# Allegro board PCIe3_0_X16_V1_0-166-20240802_20240828_pcb.brd (continued)
## Routing (per net, layer and track width the routed paths; a pad name or vN(x,y) marks a point on that pad's centre or on a via; arc(x,y) is an arc through that point) (continued)
  TOP w0.155: U2.C1 v1(119.95,97.46)
  ART10 w0.086: v1(119.32,72.23) 119.87,72.78 119.87,73.38 120.25,73.76 121.52,73.76 121.93,74.17 121.93,84.07 123.25,85.39 123.25,97.38 123,97.64 122.79,97.64 122.71,97.55 122.71,97.04 122.62,96.95 122.45,96.95 122.36,97.04 122.36,97.55 122.28,97.64 122.1,97.64 122.02,97.55 122.02,97.04 121.93,96.95 121.76,96.95 121.67,97.04 121.67,97.55 121.58,97.64 121.41,97.64 121.33,97.55 121.33,97.04 121.24,96.95 121.07,96.95 120.98,97.04 120.98,97.55 120.89,97.64 120.13,97.64 v1(119.95,97.46)
BPI_FLASH_A_3: length 36.3
  TOP w0.127: U1.AL28 v1(120.32,72.23)
  TOP w0.155: U2.D1 v1(119.95,98.46)
  ART10 w0.086: v1(119.95,98.46) 120.3,98.81 120.67,98.81 120.76,98.72 120.76,98.49 120.85,98.4 121.02,98.4 121.11,98.49 121.11,98.72 121.19,98.81 121.37,98.81 121.45,98.72 121.45,98.49 121.54,98.4 121.71,98.4 121.8,98.49 121.8,98.72 121.88,98.81 122.06,98.81 122.14,98.72 122.14,98.49 122.23,98.4 122.4,98.4 122.49,98.49 122.49,98.72 122.57,98.81 122.75,98.81 122.83,98.72 122.83,98.49 122.92,98.4 123.09,98.4 123.18,98.49 123.18,98.72 123.26,98.81 123.51,98.81 123.94,98.38 123.94,85.06 122.73,83.85 122.73,74.02 122.44,73.74 122.24,73.74 121.73,73.23 121.73,73.05 120.91,72.23 v1(120.32,72.23)
BPI_FLASH_A_4: length 35.7
  TOP w0.127: U1.AL30 v1(120.32,74.23)
  TOP w0.155: U2.D2 v1(118.95,98.46)
  ART10 w0.086: v1(118.95,98.46) 119.39,98.02 119.39,97.41 119.75,97.05 120.28,97.05 120.58,96.75 120.58,95.3 120.64,95.24 120.64,95.07 120.74,94.97 120.78,94.97 120.87,94.88 120.87,94.4 120.96,94.31 121.13,94.31 121.22,94.4 121.22,94.88 121.3,94.97 121.58,94.97 121.7,94.84 121.7,92.56 121.89,92.37 121.89,90.61 122.11,90.4 122.11,90.25 122.19,90.16 122.56,90.16 122.64,90.07 122.64,89.9 122.56,89.82 122.19,89.82 122.11,89.73 122.11,89.56 122.19,89.47 122.56,89.47 122.64,89.38 122.64,89.21 122.56,89.12 122.19,89.12 122.11,89.04 122.11,88.87 122.19,88.78 122.56,88.78 122.64,88.69 122.64,88.52 122.56,88.43 122.19,88.43 122.11,88.35 122.11,88.17 122.19,88.09 122.56,88.09 122.64,88 122.64,87.83 122.56,87.74 122.19,87.74 122.11,87.66 122.11,87.48 122.19,87.4 122.56,87.4 122.64,87.31 122.64,87.14 122.56,87.05 122.19,87.05 122.11,86.97 122.11,86.79 122.19,86.71 122.56,86.71 122.64,86.62 122.64,86.45 122.56,86.36 122.19,86.36 122.11,86.27 122.11,86.1 122.19,86.02 122.56,86.02 122.64,85.93 122.64,85.76 122.56,85.67 122.19,85.67 122.11,85.58 122.11,85.27 120.97,84.12 120.97,83.42 120.93,83.39 120.93,74.84 v1(120.32,74.23)
BPI_FLASH_A_5: length 36
  TOP w0.127: U1.AM30 v1(121.32,74.23)
  TOP w0.155: U2.A2 119.52,94.89 120.4,94.89 v1(120.97,95.46)
  ART10 w0.086: v1(121.32,74.23) 121.71,74.62 121.71,83.61 121.63,83.69 121.63,84.3 122.95,85.62 122.95,90.57 122.86,90.65 122.3,90.65 122.21,90.74 122.21,90.91 122.3,91 122.86,91 122.95,91.08 122.95,91.26 122.86,91.34 122.3,91.34 122.21,91.43 122.21,91.6 122.3,91.69 122.86,91.69 122.95,91.77 122.95,91.95 122.86,92.03 122.3,92.03 122.21,92.12 122.21,92.29 122.3,92.38 122.86,92.38 122.95,92.47 122.95,93.25 122.86,93.34 122.37,93.34 122.29,93.43 122.29,93.6 122.37,93.69 122.86,93.69 122.95,93.77 122.95,94.55 122.86,94.64 122.3,94.64 122.21,94.72 122.21,94.9 122.3,94.98 122.86,94.98 122.95,95.07 122.95,95.87 122.86,95.96 121.57,95.96 121.49,96.05 121.49,96.48 121.4,96.57 121.23,96.57 121.14,96.48 121.14,96.05 120.97,95.87 v1(120.97,95.46)
BPI_FLASH_A_6: length 32.6
  TOP w0.127: U1.AL32 v1(120.32,76.23)
  TOP w0.155: U2.C2 v1(118.95,97.46)
  ART10 w0.086: v1(118.95,97.46) 119.55,96.87 120.14,96.87 120.34,96.66 120.34,95.3 120.31,95.28 120.31,92.52 120.9,91.94 120.9,91.38 120.99,91.29 121.51,91.29 121.6,91.21 121.6,91.03 121.51,90.95 120.99,90.95 120.9,90.86 120.9,90.69 120.99,90.6 121.51,90.6 121.6,90.52 121.6,90.34 121.51,90.26 120.99,90.26 120.9,90.17 120.9,90 120.99,89.91 121.64,89.91 121.73,89.82 121.73,89.65 121.64,89.57 120.99,89.57 120.9,89.48 120.9,89.31 120.99,89.22 121.64,89.22 121.73,89.13 121.73,88.96 121.64,88.87 121.28,88.87 121.12,88.71 121.12,88.16 121.38,87.89 121.72,87.89 121.8,87.81 121.8,87.63 121.72,87.55 121.38,87.55 121.3,87.46 121.3,87.29 121.38,87.2 121.72,87.2 121.8,87.12 121.8,86.94 121.72,86.86 121.38,86.86 121.3,86.77 121.3,86.6 121.38,86.51 121.72,86.51 121.8,86.43 121.8,86.25 121.72,86.17 121.38,86.17 121.3,86.08 121.3,85.91 121.38,85.82 121.72,85.82 121.8,85.73 121.8,85.56 121.72,85.48 121.38,85.48 121.3,85.39 121.3,85.22 120.64,84.56 120.64,83.46 120.71,83.39 120.71,76.62 v1(120.32,76.23)
BPI_FLASH_A_7: length 34.2
  TOP w0.127: U1.AM32 v1(121.32,76.23)
  TOP w0.155: U2.A3 v1(117.95,95.46)
  ART03 w0.086: v1(121.32,76.23) 121.88,76.79 121.88,77.44 122.46,78.03 122.46,83.85 123.4,84.79 123.4,85.37 123.32,85.46 123.19,85.46 123.1,85.55 123.1,85.72 123.19,85.81 123.32,85.81 123.4,85.89 123.4,86.06 123.32,86.15 123.19,86.15 123.1,86.24 123.1,86.41 123.19,86.5 123.32,86.5 123.4,86.58 123.4,86.76 123.32,86.84 123.19,86.84 123.1,86.93 123.1,87.1 123.19,87.19 123.32,87.19 123.4,87.27 123.4,87.45 123.32,87.53 123.19,87.53 123.1,87.62 123.1,87.79 123.19,87.88 123.32,87.88 123.4,87.96 123.4,88.14 123.32,88.22 123.19,88.22 123.1,88.31 123.1,88.48 123.19,88.57 123.32,88.57 123.4,88.66 123.4,88.83 123.32,88.91 123.19,88.91 123.1,89 123.1,89.17 123.19,89.26 123.32,89.26 123.4,89.35 123.4,89.52 123.32,89.61 123.19,89.61 123.1,89.69 123.1,89.86 123.19,89.95 123.32,89.95 123.4,90.04 123.4,90.21 123.32,90.3 123.19,90.3 123.1,90.38 123.1,90.56 123.19,90.64 123.32,90.64 123.4,90.73 123.4,90.9 123.32,90.99 123.19,90.99 123.1,91.07 123.1,91.25 123.19,91.33 123.32,91.33 123.4,91.42 123.4,91.59 123.32,91.68 123.19,91.68 123.1,91.76 123.1,91.94 123.19,92.02 123.32,92.02 123.4,92.11 123.4,92.37 123.31,92.6 122.82,93.09 122.82,93.21 122.89,93.28 122.89,93.4 122.77,93.53 122.64,93.53 122.58,93.46 122.45,93.46 122.29,93.62 122.01,93.62 121.68,93.95 121.68,94.31 121.47,94.51 120.69,94.51 120.61,94.6 120.61,94.63 120.52,94.72 120.35,94.72 120.26,94.63 120.26,94.4 120.18,94.31 120,94.31 119.92,94.4 119.92,94.78 119.83,94.87 119.66,94.87 119.57,94.78 119.57,94.4 119.49,94.31 119.1,94.31 118.95,94.46 118.95,94.59 119.54,95.18 119.54,95.3 119.42,95.42 119.3,95.42 118.71,94.83 118.58,94.83 118.46,94.95 118.46,95.07 118.83,95.44 118.83,95.56 118.7,95.68 118.58,95.68 118.22,95.32 118.1,95.32 v1(117.95,95.46)
BPI_FLASH_A_8: length 37
  TOP w0.127: U1.AP31 v1(123.32,75.23)
  TOP w0.155: U2.B3 v1(117.95,96.46)
  ART03 w0.086: v1(123.32,75.23) 122.91,75.63 122.91,83.41 124.57,85.06 124.57,91.24 123.25,94.44 122.77,94.92 122.01,94.92 121.7,95.22 121.7,96.93 121.62,97.12 121.51,97.16 121.26,97.06 121.15,97.11 121.08,97.27 121.13,97.38 121.38,97.48 121.42,97.59 121.36,97.75 121.25,97.8 120.99,97.7 120.88,97.74 120.82,97.9 120.86,98.02 121.11,98.12 121.16,98.23 121.09,98.39 120.98,98.44 120.73,98.34 120.62,98.38 120.55,98.54 120.6,98.65 120.85,98.76 120.9,98.87 120.83,99.03 120.72,99.08 120.47,98.97 120.35,99.02 120.29,99.18 120.33,99.29 120.58,99.4 120.63,99.51 120.48,99.88 120.36,100 118.78,100 118.55,99.77 118.55,96.85 118.16,96.46 v1(117.95,96.46)
BPI_FLASH_A_9: length 37.1
  TOP w0.127: U1.AP32 v1(123.32,76.23)
  TOP w0.155: U2.C3 v1(117.95,97.46)
  ART03 w0.086: v1(123.32,76.23) 123.64,76.23 123.73,76.32 123.73,83.71 124.88,84.86 124.88,91.3 123.19,95.37 123.08,95.41 122.85,95.32 122.74,95.37 122.67,95.53 122.72,95.64 122.95,95.73 123,95.85 122.93,96.01 122.73,96.09 122.65,96.28 122.73,96.48 122.49,97.06 122.38,97.11 122.12,97 122.01,97.05 121.94,97.21 121.99,97.32 122.25,97.43 122.29,97.54 122.23,97.7 122.12,97.75 121.86,97.64 121.75,97.69 121.68,97.85 121.73,97.96 121.98,98.07 122.03,98.18 121.96,98.34 121.85,98.39 121.59,98.28 121.48,98.33 121.41,98.49 121.46,98.6 121.72,98.71 121.77,98.82 121.7,98.98 121.59,99.02 121.33,98.92 121.22,98.97 121.15,99.13 121.2,99.24 121.45,99.34 121.5,99.46 121.44,99.6 120.69,100.36 119.67,100.36 119.16,100.86 118.5,100.86 118.35,100.71 118.35,97.55 118.26,97.46 v1(117.95,97.46)
BPI_FLASH_A_10: length 36.7
  TOP w0.127: U1.AN30 v1(122.32,74.23)
  TOP w0.155: U2.D3 v1(117.95,98.46)
  ART03 w0.086: v1(117.95,98.46) 117.54,98.88 117.54,100.99 117.87,101.32 119.17,101.32 120.89,100.61 121.78,99.72 125.18,91.51 125.18,84.73 123.91,83.47 123.91,75.27 123.37,74.73 122.82,74.73 122.32,74.23 v1(122.32,74.23)
BPI_FLASH_A_11: length 36.1
  TOP w0.127: U1.AN31 v1(122.32,75.23)
  TOP w0.155: U2.C4 v1(116.95,97.46)
  ART03 w0.086: v1(116.95,97.46) 117.41,97 117.41,96.37 117.82,95.96 120.33,95.96 120.48,95.81 120.48,95.25 120.84,94.89 121.58,94.89 121.85,94.61 122.59,94.61 122.99,94.22 124.27,91.13 124.27,90.8 124.18,90.72 123.85,90.72 123.76,90.63 123.76,90.46 123.85,90.37 124.18,90.37 124.27,90.29 124.27,90.11 124.18,90.03 123.85,90.03 123.76,89.94 123.76,89.77 123.85,89.68 124.18,89.68 124.27,89.6 124.27,89.42 124.18,89.34 123.85,89.34 123.76,89.25 123.76,89.08 123.85,88.99 124.18,88.99 124.27,88.9 124.27,88.73 124.18,88.65 123.85,88.65 123.76,88.56 123.76,88.39 123.85,88.3 124.18,88.3 124.27,88.21 124.27,88.04 124.18,87.95 123.85,87.95 123.76,87.87 123.76,87.7 123.85,87.61 124.18,87.61 124.27,87.52 124.27,87.35 124.18,87.26 123.85,87.26 123.76,87.18 123.76,87 123.85,86.92 124.18,86.92 124.27,86.83 124.27,86.66 124.18,86.57 123.85,86.57 123.76,86.49 123.76,86.31 123.85,86.23 124.18,86.23 124.27,86.14 124.27,85.97 124.18,85.88 123.85,85.88 123.76,85.8 123.76,85.62 123.85,85.54 124.18,85.54 124.27,85.45 124.27,85.19 122.73,83.65 122.73,75.63 v1(122.32,75.23)
BPI_FLASH_A_12: length 38.1
  TOP w0.127: U1.AN29 v1(122.32,73.23)
  TOP w0.155: U2.A5 v1(114.95,95.46)
  ART03 w0.086: v1(114.95,95.46) 115.91,94.5 115.91,92.6 116,92.51 116.36,92.51 116.44,92.42 116.44,92.25 116.36,92.16 116,92.16 115.91,92.08 115.91,91.91 116,91.82 116.36,91.82 116.44,91.73 116.44,91.56 116.36,91.47 116,91.47 115.91,91.39 115.91,91.21 116,91.13 116.36,91.13 116.44,91.04 116.44,90.87 116.36,90.78 116,90.78 115.91,90.7 115.91,90.52 116,90.44 116.36,90.44 116.44,90.35 116.44,90.18 116.36,90.09 116,90.09 115.91,90.01 115.91,89.83 116,89.75 116.36,89.75 116.44,89.66 116.44,89.49 116.36,89.4 116,89.4 115.91,89.31 115.91,89.14 116,89.06 116.36,89.06 116.44,88.97 116.44,88.8 116.36,88.71 116,88.71 115.91,88.62 115.91,87.27 116.3,86.88 116.42,86.88 116.59,87.05 116.71,87.05 116.84,86.93 116.84,86.81 116.67,86.64 116.67,86.52 119.73,83.46 119.73,80.95 118.61,79.84 118.05,79.84 117.71,79.5 117.71,79.07 117.43,78.79 117.2,78.79 116.82,78.41 116.82,74.12 117.31,73.63 121.91,73.63 v1(122.32,73.23)
BPI_FLASH_A_13: length 38.6
  TOP w0.127: U1.AP29 v1(123.32,72.23)
  TOP w0.155: U2.B5 v1(114.95,96.46)
  ART03 w0.086: v1(114.95,96.46) 115.35,96.06 115.35,95.61 116.22,94.74 116.22,93.14 116.76,92.6 116.76,88.81 117.32,88.25 117.32,86.55 117.45,86.42 117.57,86.42 117.84,86.69 117.96,86.69 118.09,86.57 118.09,86.45 117.78,86.15 117.78,86.03 117.91,85.9 118.03,85.9 118.33,86.21 118.45,86.21 118.57,86.08 118.57,85.96 118.27,85.66 118.27,85.54 118.39,85.42 118.52,85.42 118.69,85.59 118.81,85.59 118.94,85.47 118.94,85.35 118.76,85.17 118.76,85.05 118.88,84.93 119.01,84.93 119.31,85.23 119.43,85.23 119.55,85.11 119.55,84.98 119.25,84.68 119.25,84.56 119.37,84.44 119.49,84.44 119.8,84.74 119.92,84.74 120.04,84.62 120.04,84.5 119.74,84.19 119.74,84.07 119.91,83.9 119.91,80.76 118.79,79.63 118.14,79.63 117.92,79.42 117.92,78.92 117.71,78.71 117.71,74.25 118.14,73.82 122.71,73.82 122.79,73.74 122.79,72.75 v1(123.32,72.23)
BPI_FLASH_A_14: length 35.2
  TOP w0.127: U1.AN32 v1(122.32,76.23)
  TOP w0.155: U2.C5 v1(114.95,97.46)
  ART03 w0.086: v1(114.95,97.46) 115.61,96.81 115.61,95.83 117.28,94.16 117.28,92.68 117.77,92.2 119.39,92.2 121.12,90.47 121.12,86.64 120.73,86.25 120.73,80.05 120.52,79.84 119.35,79.84 118.91,79.4 118.91,79.12 118.53,78.74 118.16,78.74 117.93,78.51 117.93,74.94 118.24,74.63 121.33,74.63 121.72,75.03 121.72,75.63 v1(122.32,76.23)
BPI_FLASH_A_15: length 38.6
  TOP w0.127: U1.AN33 v1(122.32,77.23)
  TOP w0.155: U2.D7 v1(112.95,98.46)
  ART10 w0.086: v1(112.95,98.46) 112.95,98.82 114.56,100.43 114.56,101.62 114.81,101.87 116.2,101.87 116.47,101.6 116.47,101.35 116.76,101.06 118.92,101.06 119.36,100.62 119.36,98.46 119.85,97.97 123.38,97.97 123.61,97.74 123.61,85.24 122.39,84.02 122.39,77.3 v1(122.32,77.23)
BPI_FLASH_A_16: length 46.3
  TOP w0.127: U2.D8 v1(111.95,98.46) ; U1.AR29 v1(124.32,73.23)
  ART03 w0.086: v1(124.32,73.23) 124.32,70.55 123.47,69.7 122.34,69.7 121.77,70.27 119.35,70.27 118.78,69.7 113.19,69.7 112.74,70.15 112.74,91.59 110.73,93.6 110.73,97.24 v1(111.95,98.46)
BPI_FLASH_A_17: length 39.8
  TOP w0.127: U1.AR30 v1(123.32,73.23)
  TOP w0.155: U2.A7 v1(112.95,95.46)
  ART03 w0.086: v1(123.32,73.23) 123.71,72.84 123.71,71.98 123.56,71.83 123.02,71.83 122.82,72.03 122.82,72.34 122.49,72.67 121.42,72.67 120.58,71.82 115.16,71.82 114.91,72.08 114.91,79.4 115.13,79.63 116.57,79.63 116.75,79.8 116.75,83.72 114.97,85.5 114.97,93.62 114.69,93.9 113.65,93.9 112.95,94.6 v1(112.95,95.46)
BPI_FLASH_A_18: length 36.7
  TOP w0.127: U1.AP28 v1(122.32,72.23)
  TOP w0.155: U2.B7 v1(112.95,96.46)
  ART03 w0.086: v1(122.32,72.23) 121.39,72.23 120.79,71.63 115.02,71.63 114.72,71.93 114.72,79.5 115.03,79.82 115.5,79.82 115.81,80.12 115.81,83.82 114.62,85.01 114.62,93.34 114.36,93.6 113.42,93.6 112.55,94.47 112.55,95.8 112.95,96.2 v1(112.95,96.46)
BPI_FLASH_A_19: length 40.8
  TOP w0.127: U1.AR28 v1(123.32,71.23)
  TOP w0.155: U2.C7 v1(112.95,97.46)
  ART03 w0.086: v1(112.95,97.46) 112.43,96.94 112.43,96.32 112.1,95.99 111.77,95.99 111.36,95.58 111.36,94.06 114.26,91.16 114.26,84.28 114.82,83.72 114.82,81.09 114.36,80.63 114.07,80.63 113.93,80.49 113.93,71.07 114.18,70.82 120.48,70.82 120.76,71.1 120.76,71.22 121.3,71.75 122.79,71.75 v1(123.32,71.23)
BPI_FLASH_A_20: length 44.4
  TOP w0.127: U1.AR31 v1(124.32,75.23)
  TOP w0.155: U2.C8 v1(111.95,97.46)
  ART03 w0.086: v1(111.95,97.46) 111.03,96.54 111.03,93.92 113.93,91.02 113.93,80.87 113.71,80.64 113.71,70.91 113.98,70.63 121.29,70.63 121.45,70.79 123.61,70.79 123.91,71.09 123.91,74.82 v1(124.32,75.23)
BPI_FLASH_A_21: length 45.8
  TOP w0.127: U1.AT31 v1(125.32,75.23)
  TOP w0.155: U2.A8 v1(111.95,96.46)
  ART03 w0.086: v1(111.95,96.46) 111.95,96.88 112.46,97.38 112.46,102.62 112.91,103.07 112.91,103.38 113.65,104.11 117.64,104.11 119.7,102.06 120.91,101.55 122.34,100.12 125.82,91.72 125.82,75.73 v1(125.32,75.23)
BPI_FLASH_A_22: length 32.7
  TOP w0.127: U1.AV31 v1(126.32,75.23)
  TOP w0.155: U2.G1 v1(119.95,102.46)
  ART10 w0.086: v1(119.95,102.46) 122.44,102.46 125.33,99.57 125.33,83.97 125.82,83.49 125.82,75.73 v1(126.32,75.23)
BPI_FLASH_A_23: length 41.1
  TOP w0.127: U1.AW31 v1(128.32,75.23)
  TOP w0.155: U2.H8 v1(111.95,103.46)
  ART03 w0.086: v1(128.32,75.23) 128.32,87.35 122.84,100.59 118.78,104.65 112.89,104.65 111.95,103.71 v1(111.95,103.46)
BPI_FLASH_A_24: length 45.9
  TOP w0.127: U1.AT30 v1(124.32,74.23)
  TOP w0.155: U2.B6 v1(113.95,96.46)
  ART03 w0.086: v1(124.32,74.23) 124.82,74.73 124.82,83.56 125.49,84.23 125.49,91.57 122,99.98 120.92,101.07 119.48,101.66 117.26,103.89 113.78,103.89 113.35,103.45 113.35,97.07 v1(113.95,96.46)
BPI_FLASH_A_25: length 33.4
  TOP w0.127: R30.2 112.28,89.7 115.42,86.56 121.82,86.56 123.24,87.99 v1(126.3,87.99) ; U1.AU30 v1(126.32,73.23)
  ART03 w0.086: v1(126.32,73.23) 126.32,73.31 125.89,73.74 125.89,74.6 126.02,74.73 126.45,74.73 126.83,75.11 126.83,87.45 v1(126.3,87.99)
BPI_FLASH_A_26: length 37.9
  TOP w0.127: U1.AT28 v1(125.32,72.23)
  ART10 w0.086: v2(119.94,104.97) 119.47,104.5 119.47,102.31 119.81,101.96 123.89,100.28 124.93,99.24 124.93,83.64 124.8,83.52 124.8,72.75 v1(125.32,72.23)
  BOTTOM w0.127: R31.2 v2(119.94,104.97)
BPI_FLASH_ADV_B: length 41.4
  TOP w0.127: U1.AM33 v1(121.32,77.23)
  TOP w0.155: U2.F6 v1(113.95,101.46)
  ART03 w0.086: v1(113.95,101.46) 114.49,100.93 114.49,100.33 115.86,98.96 115.86,96.01 117.59,94.28 117.59,92.99 118.01,92.57 119.58,92.57 120.56,91.59 121.75,91.59 122.08,91.26 122.08,84.89 121.09,83.9 121.09,83.59 120.91,83.41 120.91,79.88 120.66,79.63 120.1,79.63 119.82,79.35 119.82,78.99 119.52,78.69 119.19,78.69 118.82,78.32 118.82,75.18 119.18,74.82 120.48,74.82 120.79,75.13 120.79,76.7 v1(121.32,77.23)
  BOTTOM w0.127: R26.2 113.42,103.44 113.42,101.99 v1(113.95,101.46)
BPI_FLASH_CE_B: length 53.2
  TOP w0.127: U1.AE8 v1(114.32,51.23) ; U2.B4 116.29,96.8 114.84,93.32 114.84,91.48 114.66,91.03 R24.2 114.25,88.79 115.42,87.63 v1(116.6,87.63)
  ART10 w0.086: v1(114.32,51.23) 114.09,51.46 113.91,51.88 113.91,53.25 113.47,53.7 113.27,53.7 112.91,54.05 112.91,63.65 113.91,64.65 113.91,65.4 114.14,65.62 114.68,65.62 118.93,69.87 118.93,83.39 119.02,83.48 119.02,84.45 118.32,85.14 118.32,85.9 v1(116.6,87.63)
BPI_FLASH_CLK: length 11.3
  TOP w0.127: R6.2 111.01,92.28 110.75,92.53 110.75,96.85 111.39,97.49 111.39,99.01 111.85,99.47 113.96,99.47 U2.E6
BPI_FLASH_DQ_0: length 56.1
  TOP w0.127: U1.AB8 v1(111.32,51.23)
  TOP w0.155: U2.F2 v1(117.95,100.46)
  ART10 w0.086: v1(117.95,100.46) 117.46,99.97 116.85,99.97 116.55,99.67 116.55,94.59 115.5,93.55 115.5,86.61 117.56,84.56 117.56,82.75 117.71,82.6 117.71,71 114.54,67.83 114.05,67.83 113.74,67.51 113.74,67.08 113.47,66.81 113.06,66.81 112.73,66.47 112.73,64.87 111.73,63.87 111.73,51.63 v1(111.32,51.23)
BPI_FLASH_DQ_1: length 55.2
  TOP w0.127: U1.AD8 v1(113.32,51.23) ; U2.E2 v1(118.95,99.46)
  ART10 w0.086: v1(113.32,51.23) 113.32,51.49 112.73,52.08 112.73,63.73 113.73,64.73 113.73,65.47 114.06,65.81 114.47,65.81 118.71,70.06 118.71,84.29 116.11,86.89 116.11,92.02 117.51,93.42 117.51,95.68 117.82,95.99 118.32,95.99 118.48,96.14 118.48,98.99 v1(118.95,99.46)
BPI_FLASH_DQ_2: length 61.7
  TOP w0.127: U2.G3 v1(116.95,102.46) ; U1.Y8 v1(109.32,51.23)
  ART10 w0.086: v1(116.95,102.46) 116.73,102.99 116.69,103.04 116.51,103.47 116.16,103.81 115,104.29 112.75,104.29 111.81,103.9 111.58,103.67 111.29,102.96 111.29,101.64 110.6,99.97 109.99,99.36 109.99,98.04 109.82,97.63 109.59,97.39 109.59,90.47 109,89.89 109,84.12 108.86,83.99 108.86,54.06 109.14,53.79 109.44,53.66 109.74,53.37 109.74,52.01 109.57,51.6 v1(109.32,51.23)
BPI_FLASH_DQ_3: length 54.6
  TOP w0.127: U1.AC8 v1(112.32,51.23)
  TOP w0.155: U2.E4 v1(116.95,99.46)
  ART10 w0.086: v1(116.95,99.46) 117.38,99.03 117.38,96.14 117.03,95.78 117.03,94.56 115.8,93.33 115.8,86.75 117.93,84.62 117.93,70.8 114.77,67.64 114.13,67.64 113.93,67.44 113.93,67.01 113.55,66.62 113.14,66.62 112.91,66.4 112.91,64.8 111.91,63.8 111.91,51.63 v1(112.32,51.23)
BPI_FLASH_DQ_4: length 39.6
  TOP w0.127: U2.E5 v1(114.95,100.46) ; U1.AF30 v1(115.32,74.23)
  ART10 w0.086: v1(115.32,74.23) 114.8,73.71 113.06,73.71 112.83,73.94 112.83,83.77 112.56,84.04 112.56,84.62 112.47,84.7 112.01,84.7 111.92,84.79 111.92,84.96 112.01,85.05 112.47,85.05 112.56,85.14 112.56,85.31 112.47,85.39 112.01,85.39 111.92,85.48 111.92,85.65 112.01,85.74 112.47,85.74 112.56,85.83 112.56,86 112.47,86.09 112.01,86.09 111.92,86.17 111.92,86.34 112.01,86.43 112.47,86.43 112.56,86.52 112.56,86.69 112.47,86.78 112.01,86.78 111.92,86.86 111.92,87.04 112.01,87.12 112.47,87.12 112.56,87.21 112.56,87.51 112.47,87.6 112.07,87.6 111.99,87.68 111.99,87.85 112.07,87.94 112.47,87.94 112.56,88.03 112.56,88.37 112.47,88.46 112.11,88.46 112.02,88.54 112.02,88.72 112.11,88.8 112.47,88.8 112.56,88.89 112.56,89.06 112.47,89.15 112.11,89.15 112.02,89.23 112.02,89.41 112.11,89.49 112.47,89.49 112.56,89.58 112.56,89.75 112.47,89.84 112.11,89.84 112.02,89.93 112.02,90.1 112.11,90.18 112.47,90.18 112.56,90.27 112.56,94.51 113.45,95.4 113.45,98.83 114.95,100.34 v1(114.95,100.46)
BPI_FLASH_DQ_5: length 39.5
  TOP w0.127: U1.AG30 v1(116.32,74.23)
  TOP w0.155: U2.G5 v1(114.95,101.46)
  ART10 w0.086: v1(116.32,74.23) 115.85,74.7 114.15,74.7 113.84,75.01 113.84,83.54 113.24,84.14 112.97,84.14 112.89,84.23 112.89,84.4 112.97,84.49 113.06,84.49 113.14,84.57 113.14,84.74 113.06,84.83 112.97,84.83 112.89,84.92 112.89,85.09 112.97,85.18 113.06,85.18 113.14,85.26 113.14,85.44 113.06,85.52 112.97,85.52 112.89,85.61 112.89,85.78 112.97,85.87 113.06,85.87 113.14,85.95 113.14,86.13 113.06,86.21 112.97,86.21 112.89,86.3 112.89,86.47 112.97,86.56 113.06,86.56 113.14,86.64 113.14,86.82 113.06,86.9 112.97,86.9 112.89,86.99 112.89,87.16 112.97,87.25 113.06,87.25 113.14,87.34 113.14,87.51 113.06,87.59 112.97,87.59 112.89,87.68 112.89,87.85 112.97,87.94 113.06,87.94 113.14,88.03 113.14,88.2 113.06,88.29 112.97,88.29 112.89,88.37 112.89,88.54 112.97,88.63 113.06,88.63 113.14,88.72 113.14,88.89 113.06,88.98 112.97,88.98 112.89,89.06 112.89,89.24 112.97,89.32 113.06,89.32 113.14,89.41 113.14,89.58 113.06,89.67 112.97,89.67 112.89,89.75 112.89,89.93 112.97,90.01 113.06,90.01 113.14,90.1 113.14,90.27 113.06,90.36 112.97,90.36 112.89,90.44 112.89,91.15 112.97,91.24 113.28,91.24 113.37,91.32 113.37,91.49 113.28,91.58 112.97,91.58 112.89,91.67 112.89,91.84 112.97,91.93 113.28,91.93 113.37,92.01 113.37,92.18 113.28,92.27 112.97,92.27 112.89,92.36 112.89,92.53 112.97,92.62 113.28,92.62 113.37,92.7 113.37,92.88 113.28,92.96 112.97,92.96 112.89,93.05 112.89,93.47 113.04,93.63 113.87,93.63 113.96,93.71 113.96,93.89 113.87,93.97 113.23,93.97 113.14,94.06 113.14,94.59 113.5,94.95 114.36,94.95 114.54,95.12 114.54,99.47 115.4,100.33 115.4,101.01 v1(114.95,101.46)
BPI_FLASH_DQ_6: length 40.6
  TOP w0.127: U1.AF28 v1(115.32,72.23)
  TOP w0.155: U2.G6 v1(113.95,102.46)
  ART10 w0.086: v1(113.95,102.46) 113.55,102.06 113.55,100.99 112.41,99.85 112.41,95.35 111.47,94.41 111.47,93.63 111.55,93.55 111.91,93.55 112,93.46 112,93.29 111.91,93.2 111.55,93.2 111.47,93.11 111.47,92.94 111.55,92.86 111.91,92.86 112,92.77 112,92.6 111.91,92.51 111.55,92.51 111.47,92.42 111.47,92.25 111.55,92.16 111.91,92.16 112,92.08 112,91.91 111.91,91.82 111.55,91.82 111.47,91.73 111.47,91.56 111.55,91.47 111.91,91.47 112,91.39 112,91.21 111.91,91.13 111.55,91.13 111.47,91.04 111.47,90.87 111.55,90.78 111.91,90.78 112,90.7 112,90.52 111.91,90.44 111.55,90.44 111.47,90.35 111.47,89.43 110.91,88.87 110.91,84.55 111.81,83.64 111.81,73.03 112.17,72.67 114.88,72.67 v1(115.32,72.23)
BPI_FLASH_DQ_7: length 41.3
  TOP w0.127: U1.AG28 v1(116.32,72.23)
  TOP w0.155: U2.H7 v1(113.95,103.46)
  ART03 w0.086: v1(116.32,72.23) 115.71,72.84 115.71,78.51 116.01,78.82 116.5,78.82 116.72,79.04 116.72,79.5 117.03,79.81 117.46,79.81 117.74,80.09 117.74,83.31 117.52,83.53 117.52,83.65 117.92,84.05 117.92,84.17 117.8,84.29 117.68,84.29 117.28,83.9 117.16,83.9 117.03,84.02 117.03,84.14 117.43,84.54 117.43,84.66 117.31,84.78 117.19,84.78 116.79,84.38 116.67,84.38 116.55,84.51 116.55,84.63 116.94,85.03 116.94,85.15 116.82,85.27 116.7,85.27 116.3,84.87 116.18,84.87 116.06,85 116.06,85.12 116.46,85.52 116.46,85.64 116.33,85.76 116.21,85.76 115.81,85.36 115.69,85.36 115.28,85.78 115.28,94.11 114.36,95.02 114.36,99.34 113.56,100.14 113.56,103.07 v1(113.95,103.46)
BPI_FLASH_DQ_8: length 40.1
  TOP w0.127: U1.AH30 v1(117.32,74.23) ; U2.E1 v1(118.95,100.46)
  ART10 w0.086: v1(117.32,74.23) 117.32,74.53 115.82,76.02 115.82,83.41 115.57,83.67 114.99,83.67 114.78,83.87 114.44,83.87 114.34,83.97 114.34,84.17 114.42,84.26 114.66,84.26 114.74,84.34 114.74,84.52 114.66,84.6 114.42,84.6 114.34,84.69 114.34,84.86 114.42,84.95 114.66,84.95 114.74,85.03 114.74,85.21 114.66,85.29 114.42,85.29 114.34,85.38 114.34,85.55 114.42,85.64 114.66,85.64 114.74,85.72 114.74,85.9 114.66,85.98 114.42,85.98 114.34,86.07 114.34,87.83 114.84,88.34 114.84,88.49 114.76,88.58 114.32,88.58 114.23,88.67 114.23,88.84 114.32,88.93 114.76,88.93 114.84,89.01 114.84,89.18 114.76,89.27 114.32,89.27 114.23,89.36 114.23,89.53 114.32,89.62 114.76,89.62 114.84,89.7 114.84,89.88 114.76,89.96 114.32,89.96 114.23,90.05 114.23,90.22 114.32,90.31 114.76,90.31 114.84,90.39 114.84,90.57 114.76,90.65 114.32,90.65 114.23,90.74 114.23,90.91 114.32,91 114.76,91 114.84,91.08 114.84,91.26 114.76,91.34 114.32,91.34 114.23,91.43 114.23,91.6 114.32,91.69 114.76,91.69 114.84,91.78 114.84,94.06 115.81,95.02 115.81,99.75 116.42,100.36 116.42,100.58 116.7,100.87 118.55,100.87 v1(118.95,100.46)
BPI_FLASH_DQ_9: length 38.9
  TOP w0.127: U2.E3 v1(116.95,100.46) ; U1.AH31 v1(117.32,75.23)
  ART10 w0.086: v1(116.95,100.46) 116.22,99.73 116.22,94.89 115.17,93.85 115.17,88.07 115.04,87.93 114.85,87.93 114.77,87.85 114.77,87.67 114.85,87.59 115.04,87.59 115.12,87.5 115.12,87.33 115.04,87.24 114.85,87.24 114.77,87.16 114.77,86.98 114.85,86.9 115.04,86.9 115.12,86.81 115.12,86.64 115.04,86.55 114.85,86.55 114.77,86.47 114.77,86.29 114.85,86.21 115.04,86.21 115.12,86.12 115.12,85.7 115.21,85.61 116.08,85.61 116.16,85.52 116.16,85.35 116.08,85.26 115.21,85.26 115.12,85.18 115.12,84.11 115.21,84.02 115.62,84.02 115.7,84.11 115.7,84.85 115.79,84.94 115.94,84.94 116.05,84.83 116.05,83.8 116.13,83.72 116.31,83.72 116.39,83.8 116.39,84.85 116.48,84.94 116.63,84.94 116.74,84.83 116.74,84.57 116.83,84.48 117.09,84.48 117.18,84.39 117.18,84.22 117.09,84.13 116.83,84.13 116.74,84.05 116.74,83.88 116.83,83.79 117.09,83.79 117.18,83.7 117.18,83.53 117.09,83.44 116.83,83.44 116.74,83.36 116.74,83.18 116.83,83.1 117.09,83.1 117.18,83.01 117.18,82.84 117.09,82.75 116.83,82.75 116.74,82.67 116.74,82.33 116.91,82.16 116.91,77.29 116.83,77.2 116.72,77.2 116.64,77.12 116.64,76.94 116.72,76.86 116.83,76.86 116.91,76.77 116.91,75.86 117.32,75.45 v1(117.32,75.23)
